# Altium PCB SAMC21_Xplained_Pro.PcbDoc (part 1 of 4) (continued)
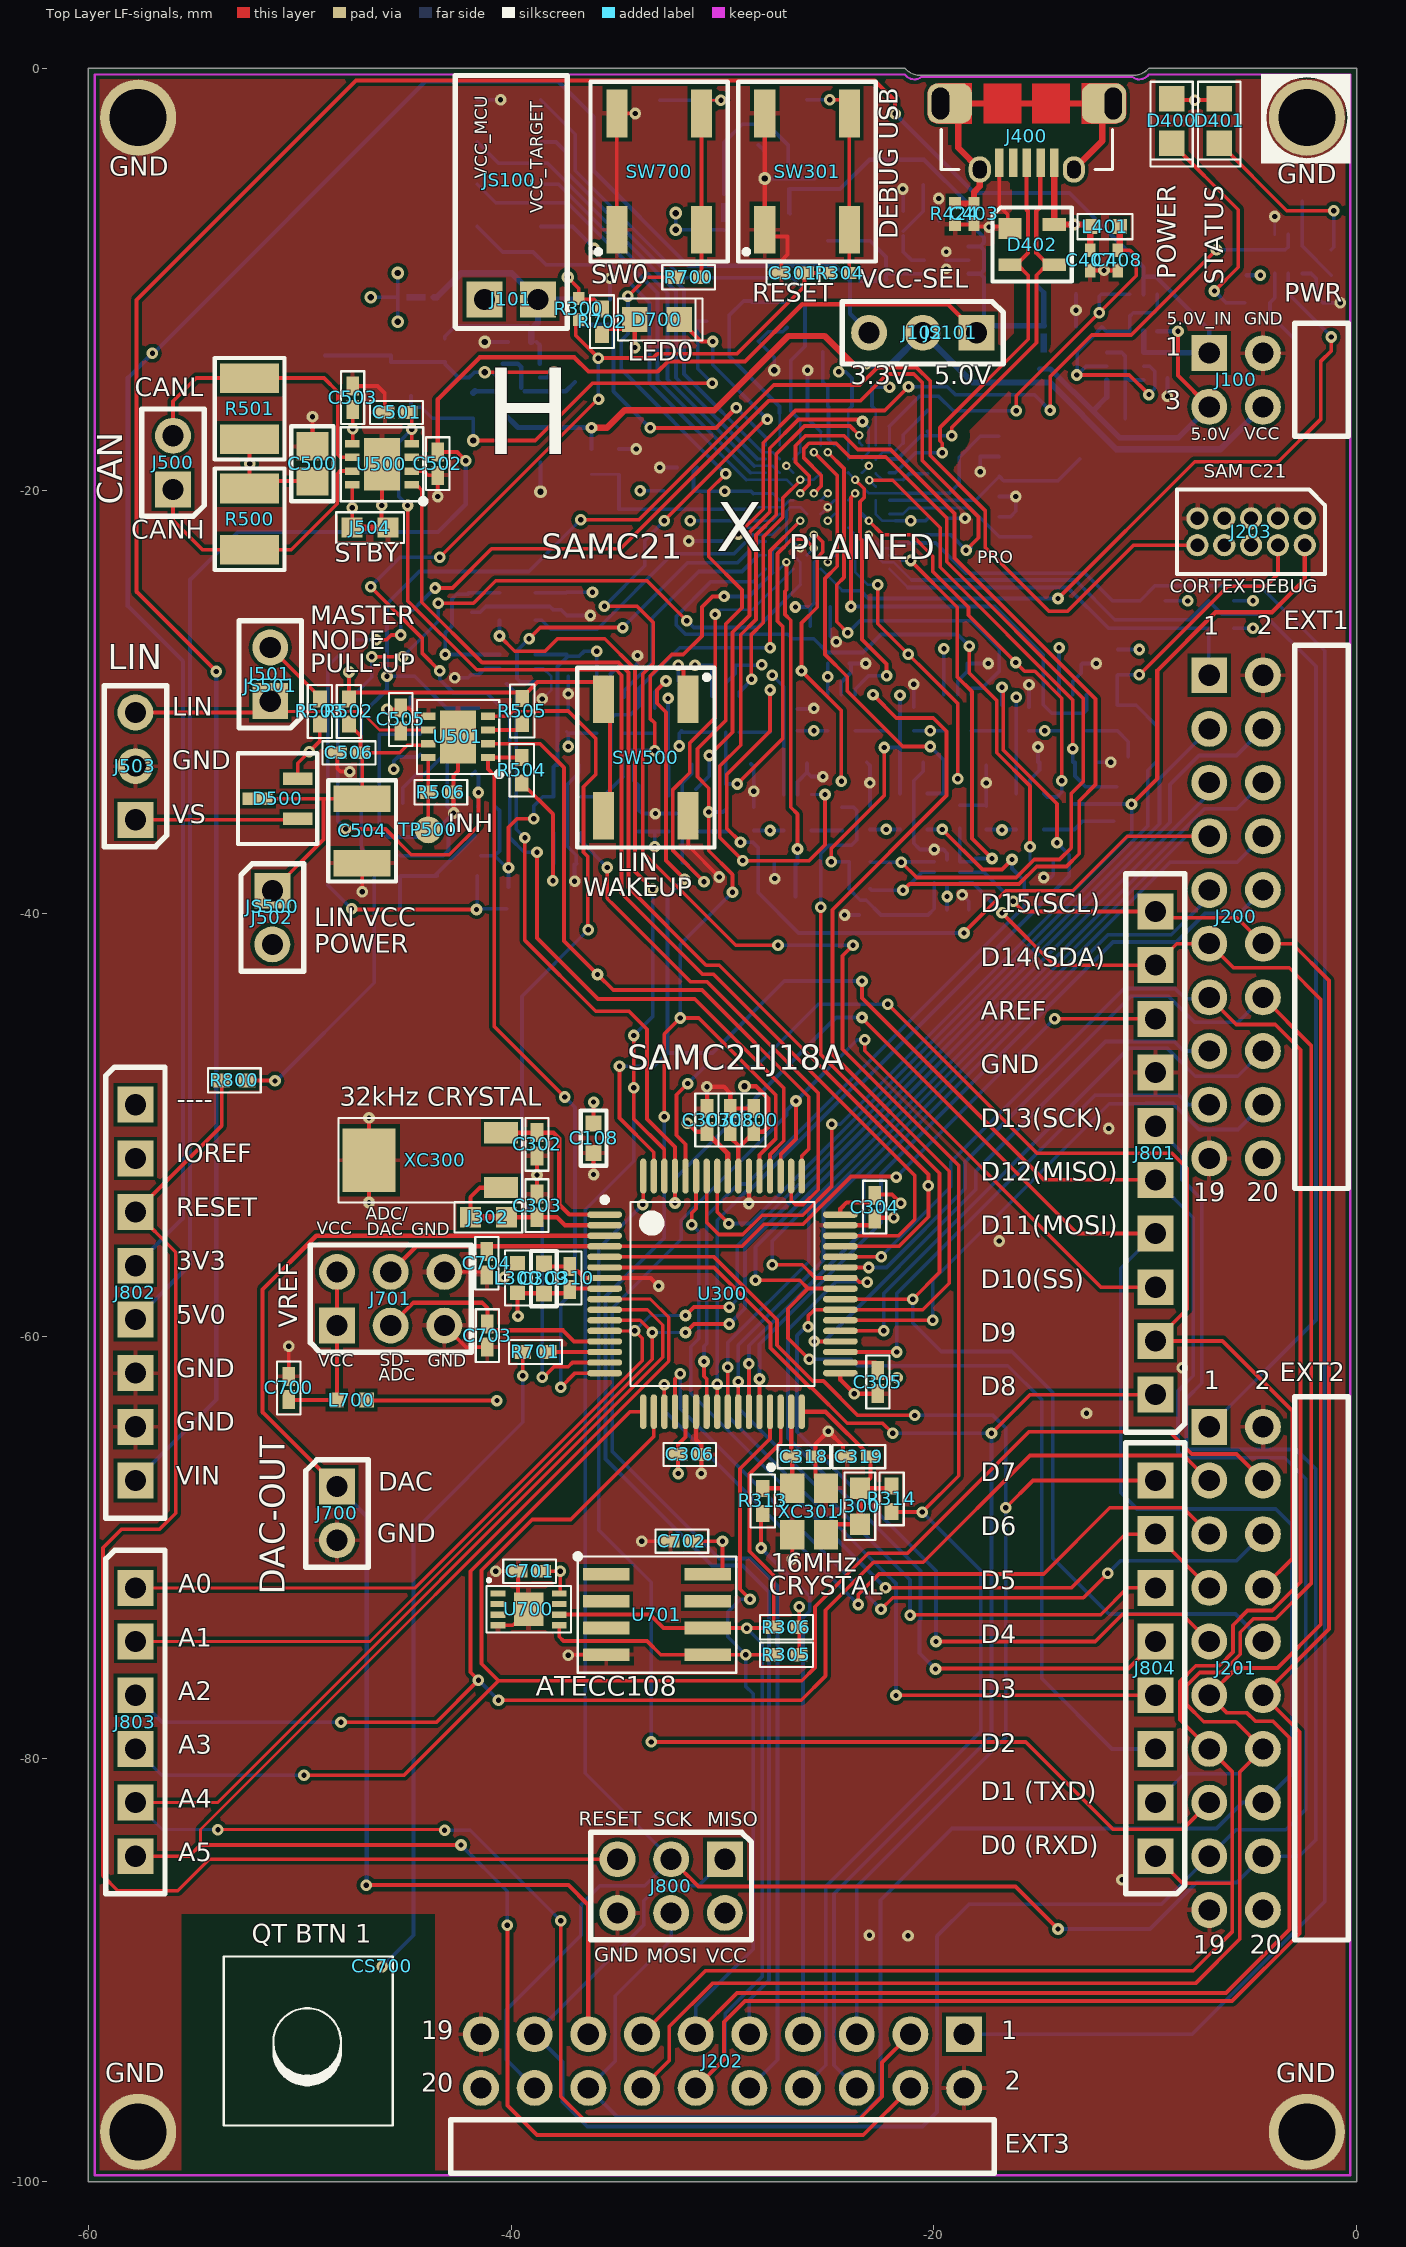
[diagram p0: Top Layer LF-signals view]
## Design rules (kind name [scope] priority, off if disabled: settings)
AcuteAngle [All] p1: minimum=7.00000000000000E+0001 checktracksonly=FALSE
AssemblyTestPointUsage "Schematic Assembly Testpoint Usage_26" [InNet('EDBG_DGI_GPIO0_EN')] p1: valid=1
AssemblyTestPointUsage "Schematic Assembly Testpoint Usage_25" [InNet('EDBG_CDC_UART_TX')] p2: valid=1
AssemblyTestPointUsage "Schematic Assembly Testpoint Usage_24" [InNet('EDBG_DGI_GPIO0')] p3: valid=1
AssemblyTestPointUsage "Schematic Assembly Testpoint Usage_23" [InNet('EDBG_DGI_GPIO3')] p4: valid=1
AssemblyTestPointUsage "Schematic Assembly Testpoint Usage_22" [InNet('TARGET_DGI_SPI_MISO')] p5: valid=1
AssemblyTestPointUsage "Schematic Assembly Testpoint Usage_21" [InNet('TARGET_DGI_GPIO3')] p6: valid=1
AssemblyTestPointUsage "Schematic Assembly Testpoint Usage_20" [InNet('TARGET_DGI_GPIO2')] p7: valid=1
AssemblyTestPointUsage "Schematic Assembly Testpoint Usage_19" [InNet('TARGET_DGI_GPIO1')] p8: valid=1
AssemblyTestPointUsage "Schematic Assembly Testpoint Usage_18" [InNet('TARGET_DGI_GPIO0')] p9: valid=1
AssemblyTestPointUsage "Schematic Assembly Testpoint Usage_17" [InNet('TARGET_CDC_RX')] p10: valid=1
AssemblyTestPointUsage "Schematic Assembly Testpoint Usage_16" [InNet('NetR506_2')] p11: valid=1
AssemblyTestPointUsage "Schematic Assembly Testpoint Usage_15" [InNet('NetQ600_1')] p12: valid=1
AssemblyTestPointUsage "Schematic Assembly Testpoint Usage_14" [InNet('WKIN')] p13: valid=1
AssemblyTestPointUsage "Schematic Assembly Testpoint Usage_13" [InNet('PA05_QTB_Y3')] p14: valid=1
AssemblyTestPointUsage "Schematic Assembly Testpoint Usage_12" [InNet('NetCS700_1')] p15: valid=1
AssemblyTestPointUsage "Schematic Assembly Testpoint Usage_8" [InNet('EDBG_USB_FS_P')] p16: valid=1
AssemblyTestPointUsage "Schematic Assembly Testpoint Usage_7" [InNet('EDBG_USB_FS_N')] p17: valid=1
AssemblyTestPointUsage "Schematic Assembly Testpoint Usage_11" [InNet('PA15_XOUT')] p18: valid=1
AssemblyTestPointUsage "Schematic Assembly Testpoint Usage_2" [InNet('PA14_XIN')] p19: valid=1
AssemblyTestPointUsage "Schematic Assembly Testpoint Usage_1" [InNet('NetJ300_1')] p20: valid=1
AssemblyTestPointUsage "Schematic Assembly Testpoint Usage_10" [InNet('XIN0')] p21: valid=1
AssemblyTestPointUsage "Schematic Assembly Testpoint Usage_9" [InNet('XOUT0')] p22: valid=1
AssemblyTestPointUsage "Schematic Assembly Testpoint Usage_6" [InNet('EDBG_USB_HS_N')] p23: valid=1
AssemblyTestPointUsage "Schematic Assembly Testpoint Usage_5" [InNet('NetJ302_1')] p24: valid=1
AssemblyTestPointUsage "Schematic Assembly Testpoint Usage_4" [InNet('PA01_XOUT32')] p25: valid=1
AssemblyTestPointUsage "Schematic Assembly Testpoint Usage_3" [InNet('PA00_XIN32')] p26: valid=1
AssemblyTestPointUsage "Schematic Assembly Testpoint Usage" [InNet('EDBG_USB_HS_P')] p27: valid=1
AssemblyTestPointUsage [All] p28:
AssemblyTestpoint AssemblyTestpoint_TP [HasFootprint('AP8-00010') or InNet('NetC407_1')] p1: testpointundercomponent=TRUE minsize=0.8 maxsize=10 preferedsize=0.8 minholesize=0 maxholesize=2 preferedholesize=0.25 testpointgrid=0.025 usegrid=FALSE gridtolerance=0 allowsidebottom=TRUE minspacing=1.27
AssemblyTestpoint [All] p2: testpointundercomponent=TRUE minsize=0.8 maxsize=10 preferedsize=0.8 minholesize=0 maxholesize=2 preferedholesize=0.25 testpointgrid=0.025 usegrid=FALSE gridtolerance=0 allowsidebottom=TRUE minspacing=1.27 compbodyclearance=1.27
Clearance "Schematic Clearance Touch" [InNetClass('TOUCH')] p1 off: gap=0.6
Clearance Clearance_EDBG [InComponent('U400')] p2: gap=0.119
Clearance Clearance_touch [IsRegion vs (InNet('PB00_ADC8') OR InNet('PB01_ADC9') OR InNet('PB02_PWM_TC6_0') OR InNet('PB03_PWM_TC6_1') OR InNet('PB04_GPIO_IRQ4') OR InNet('PB05_GPIO_SS') OR InNet('PB06_GPIO') OR InNet('PB07_GPIO') OR InNet('PB08_S4_UART_TX') OR InNet('PB09_S4_UART_RX') OR InNet('PA04_S0_SPI_MISO') OR InNet('PA05_S0_SPI_SS') OR InNet('PA06_S0_SPI_MOSI') OR InNet('PA07_S0_SPI_SCK'))] p3: gap=0.6
Clearance Clearance_Poly_Impedance [IsRegion vs InDifferentialPairClass('All Differential Pairs')] p4: gap=0.6
Clearance Clearance_Poly [InPoly] p5: gap=0.175
Clearance [All] p6: gap=0.135
ComponentClearance ComponentClearance_1 [(InComponent('JS101') OR InComponent('JS500') OR InComponent('JS501')) vs (InComponent('J102') OR InComponent('J501') OR InComponent('J502'))] p1: gap=0 collisioncheckmode=3 verticalgap=0 showdistances=FALSE
ComponentClearance [All] p2: gap=0.1 collisioncheckmode=3 verticalgap=0.1 showdistances=FALSE
DiffPairsRouting [All] p1: maxlimit=0.22 minlimit=0.2 mostfreqgap=0.2 toplayer_minwidth=0.18 toplayer_maxwidth=0.381 toplayer_prefwidth=0.2 bottomlayer_minwidth=0.18 bottomlayer_maxwidth=0.381 bottomlayer_prefwidth=0.2 maxuncoupledlength=20
FabricationTestPointUsage TestPointUsage [All] p1: valid=2 allowmultiple=FALSE
FabricationTestpoint Testpoint [All] p1: side=2 testpointundercomponent=TRUE minsize=0.55 maxsize=10 preferedsize=0.8 minholesize=0 maxholesize=2 preferedholesize=0.25 testpointgrid=0 allowsidebottom=TRUE usegrid=FALSE gridtolerance=0 minspacing=1.27 compbodyclearance=0.127
HoleSize [All] p1: absolutevalues=TRUE maxlimit=10 minlimit=0.15 maxpercent=80.000 minpercent=20.000
HoleToHoleClearance [All] p1: gap=0.3 allowstackedmicrovias=TRUE
MinimumAnnularRing [All] p1: minimumring=0.1
MinimumSolderMaskSliver [All] p1: minsoldermaskwidth=0.075
NetAntennae [Not IsAssyTestpoint] p1: netantennaetolerance=0
PlaneClearance [All] p1: clearance=0.3
PlaneConnect PlaneConnect_50mil [HasFootprint('AP8-00257')] p1: planeconnectstyle=Relief reliefexpansion=0.2 reliefentries=4 reliefconductorwidth=0.2 reliefairgap=0.2
PlaneConnect PlaneConnect_VIA [IsVia OR HasPad('Free-666')] p2: planeconnectstyle=Direct reliefexpansion=0.508 reliefentries=4 reliefconductorwidth=0.254 reliefairgap=0.254
PlaneConnect [All] p3: planeconnectstyle=Relief reliefexpansion=0.508 reliefentries=4 reliefconductorwidth=0.254 reliefairgap=0.254
PolygonConnect PolygonConnect_VIA [IsVia OR HasPad('Free-666')] p1: connectstyle=Direct reliefconductorwidth=0.254 reliefentries=4 polygonreliefangle="90 Angle" airgapwidth=0.254
PolygonConnect [All] p2: connectstyle=Relief reliefconductorwidth=0.2 reliefentries=4 polygonreliefangle="90 Angle" airgapwidth=0.2
RoutingVias [All] p1: holewidth=0.25 width=0.55 viastyle="Through Hole" minholewidth=0.2 minwidth=0.4 maxholewidth=0.5 maxwidth=1
SMDNeckDown [All] p1: percent=90.000
SilkToSilkClearance SilkToSilkClearance_1 [InComponent('LABEL1') vs IsText] p1: silktosilkclearance=0
SilkToSilkClearance SilkToSilkClearance_Text [IsText vs IsText] p2: silktosilkclearance=0
SilkToSilkClearance [All] p3: silktosilkclearance=0.1
SilkToSolderMaskClearance SilkscreenOverComponentPads [IsPad] p1: minsilkscreentomaskgap=0.1 clearancetoexposedcopper=TRUE
SolderMaskExpansion SolderMaskTenting [IsVia AND NOT (IsFabTestpoint OR IsAssyTestpoint)] p1: expansion=-1
SolderMaskExpansion [All] p2: expansion=0.05
ViasUnderSMD [All] p1: allowed=FALSE
Width [All] p1: maxlimit=10 minlimit=0.125 preferedwidth=0.175
16 further rules are at their usual default settings.

## Classes and differential pairs
net class TOUCH: NetCS700_1 PA05_QTB_Y3 PA08_AIN10_X0 PA09_AIN11_X1 PA10_GPIO_X2 PA11_GPIO_X3 PA18_S1_SPI_MOSI_Y22 PA19_S1_SPI_SCK_Y23 PA20_GPIO_RTS_TE_Y26 PA21_GPIO_CTS_Y27 PB08_INN1_Y14 PB09_INP1_Y15 PB12_PWM_TC0_W0 PB13_PWM_TC0_W1 PB14_GPIO_IRQ14_Y30 PB15_GPIO_SS_Y31
differential pair EDBG_USB_HS: +EDBG_USB_HS_P -EDBG_USB_HS_N

## Components (designator, comment, footprint, x,y, rotation, side; value= is the part's Value field where it differs from the comment)
C100 "" AP1-00117 -27.6,-3.638 r180 bottom
C101 "" AP1-00117 -27.6,-6.887 r180 bottom
C102 "" AP1-00001 -39.6,-12.965 r180 bottom
C103 "" AP1-00003 -38.613,-17.838 r270 bottom
C104 "" AP1-00117 -19.062,-7.213 r180 bottom
C105 "" AP1-00003 -15.125,-9.475 r90 bottom
C106 "" AP1-00053 -21.45,-7.25 r270 bottom
C107 "" AP1-00003 -23.1,-7.35 r90 bottom
C108 "" AP1-00039 -36.1,-50.638 r270 top
C109 "" AP1-00053 -43.138,-13.363 r270 bottom
C300 "" AP1-00001 -28.525,-49.775 r90 top
C301 "" AP1-00001 -26.675,-9.7 r180 top
C302 "" AP1-00001 -38.775,-50.925 r270 top
C303 "" AP1-00001 -38.775,-53.825 r90 top
C304 "" AP1-00001 -22.8,-53.9 r270 top
C305 "" AP1-00001 -22.65,-62.175 r270 top
C306 "" AP1-00001 -31.55,-65.6 r0 top
C307 "" AP1-00001 -30.738,-49.775 r90 top
C308 "" AP1-00001 -29.637,-49.775 r90 top
C309 "" AP1-00039 -38.45,-57.275 r90 top
C310 "" AP1-00001 -37.225,-57.25 r90 top
C318 "" AP1-00001 -26.15,-65.7 r0 top locked
C319 "" AP1-00001 -23.55,-65.7 r180 top locked
C400 "" AP1-00053 -16.9,-21.7 r90 bottom locked
C401 "" AP1-00053 -16.9,-19.8 r270 bottom locked
C402 "" AP1-00053 -17.8,-17.9 r270 bottom locked
C403 "" AP1-00053 -18.1,-6.9 r90 top locked
C404 "" AP1-00053 -31.675,-18.9 r180 bottom locked
C405 "Farnell no: 1288200" AP1-00053 -25.5,-15.1 r180 bottom locked
C406 "" AP1-00053 -25.5,-16 r180 bottom locked
C407 "" AP1-00053 -12.6,-9.1 r270 top locked
C408 "" AP1-00053 -11.3,-9.1 r270 top locked
C409 "Farnell no: 1288200" AP1-00053 -23.4,-15.1 r0 bottom locked
C410 "" AP1-00053 -23.4,-16 r0 bottom locked
C411 "" AP1-00053 -19.8,-21.3 r0 bottom locked
C412 "" AP1-00053 -25.375,-25.5 r0 bottom locked
C413 "" AP1-00053 -30,-21.9 r270 bottom locked
C414 "Farnell no: 1288200" AP1-00053 -30.875,-21.9 r270 bottom locked
C415 "Farnell no: 1288200" AP1-00053 -25.375,-26.4 r0 bottom locked
C500 "" AP1-00003 -49.4,-18.72 r90 top
C501 "" AP1-00001 -45.425,-16.295 r180 top
C502 "" AP1-00001 -43.475,-18.72 r270 top
C503 "" AP1-00001 -47.5,-15.595 r90 top
C504 "" AP1-00015 -47.05,-36.095 r270 top
C505 "" AP1-00001 -45.225,-30.82 r90 top
C506 "" AP1-00001 -47.675,-32.4 r180 top
C600 "" AP1-00053 -22.975,-40.075 r180 bottom
C601 "" AP1-00053 -18.825,-39.825 r180 bottom
C602 "" AP1-00053 -18.975,-28.175 r0 bottom
C603 "" AP1-00053 -20.95,-30.8 r270 bottom
C604 "" AP1-00053 -21.05,-32.85 r0 bottom
C605 "" AP1-00053 -23.025,-35.475 r270 bottom
C606 "" AP1-00053 -15.55,-32.85 r0 bottom
C607 "" AP1-00053 -17.525,-35.475 r270 bottom
C608 "" AP1-00053 -37.35,-32.975 r0 bottom
C609 "" AP1-00053 -37.475,-37.675 r180 bottom
C610 "" AP1-00053 -13.525,-28.175 r0 bottom
C611 "" AP1-00053 -15.5,-30.8 r270 bottom
C612 "" AP1-00053 -37.375,-25.35 r270 bottom
C613 "" AP1-00053 -42.025,-25.375 r90 bottom
C614 "" AP1-00053 -29.95,-28.25 r0 bottom
C615 "" AP1-00053 -31.925,-30.875 r270 bottom
C616 "" AP1-00053 -35.4,-28.3 r0 bottom
C617 "" AP1-00053 -37.287,-30.925 r270 bottom
C618 "" AP1-00053 -24.475,-28.175 r0 bottom
C619 "" AP1-00053 -26.45,-30.8 r270 bottom
C620 "" AP1-00053 -37.3,-28.3 r270 bottom
C621 "" AP1-00053 -42.025,-28.3 r90 bottom
C622 "" AP1-00053 -26.55,-32.9 r0 bottom
C623 "" AP1-00053 -28.525,-35.525 r270 bottom
C624 "" AP1-00053 -32,-32.95 r0 bottom
C625 "" AP1-00053 -33.975,-35.575 r270 bottom
C700 "" AP1-00001 -50.525,-62.45 r90 top
C701 "" AP1-00001 -39.125,-71.125 r180 top
C702 "" AP1-00001 -31.925,-69.7 r180 top
C703 "" AP1-00001 -41.125,-59.975 r270 top
C704 "" AP1-00001 -41.15,-56.55 r270 top
CS700 "QTouch Button" ? -49.6,-93.325 r0 top locked
D100 "" AP4-00007 -45.688,-14.55 r90 bottom
D400 "" AP4-00013 -8.75,-2.5 r90 top locked
D401 "" AP4-00013 -6.5,-2.5 r90 top locked
D402 "Changed manufacturer from Philips to NXP." AP4-00001 -16.4,-7.6 r0 top locked
D500 "" AP4-00018 -51.05,-34.57 r180 top
D700 "" AP4-00013 -33.1,-11.9 r180 top locked
E1 "" AP8-00192 -9.325,-4.725 r180 bottom
E2 "" AP8-00192 -51,-4.5 r180 bottom locked
E3 "" AP8-00192 -9,-95.5 r180 bottom locked
E4 "" AP8-00192 -51,-95.5 r180 bottom locked
J100 "" AP8-00628 -5.7,-14.76 r270 top locked
J101 "" AP8-00367 -40,-10.95 r0 top locked
J102 "" AP8-00745 -20.525,-12.525 r180 top locked
J103 "" AP9-00044 -14.8,-13.012 r270 bottom net-tie
J104 "" AP9-00044 -29.925,-6.825 r90 bottom net-tie
J105 "" AP9-00044 -23.112,-10.012 r0 bottom net-tie
J106 "" AP9-00044 -44.512,-10.85 r0 bottom net-tie
J200 "" AP8-00622 -5.7,-40.16 r270 top locked
J201 "" AP8-00622 -5.7,-75.72 r270 top locked
J202 "" AP8-00622 -30,-94.3 r180 top locked
J203 "" AP8-00257 -4.99,-21.94 r180 top locked
J300 "" AP9-00044 -23.5,-68.05 r90 top locked net-tie
J302 "" AP9-00044 -41.075,-54.375 r0 top net-tie
J400 "2,000 pieces per reel" AP8-00852 -15.6,-1.675 r180 top locked
J500 "" AP8-00733 -56,-18.67 r90 top
J501 "" AP8-00733 -51.4,-28.687 r90 top
J502 "" AP8-00733 -51.3,-40.195 r270 top
J503 "" AP8-00745 -57.778,-33.03 r90 top
J504 "" AP9-00044 -46.675,-21.745 r0 top net-tie
J700 "" AP8-00733 -48.24,-68.39 r270 top
J701 "" AP8-00182 -45.7,-58.23 r0 top locked
J800 "" AP8-00182 -32.429,-86.02 r180 top locked
J801 "" AP8-00822 -9.518,-51.336 r90 top locked
J802 "" AP8-00823 -57.778,-57.94 r270 top locked
J803 "" AP8-00824 -57.778,-78.26 r270 top locked
J804 "" AP8-00823 -9.518,-75.72 r90 top locked
JS100 "" AP8-00525 -40.1,-5.3 r0 top locked
JS101 "" AP8-00525 -19.2,-12.525 r0 top
JS500 "" AP8-00525 -51.3,-39.675 r270 top
JS501 "" AP8-00525 -51.4,-29.225 r90 top
L300 "" AP3-00005 -39.7,-57.25 r270 top
L401 "" AP3-00005 -11.9,-7.5 r0 top locked
L402 "" AP3-00005 -32.075,-20 r0 bottom locked
L700 "" AP3-00005 -47.55,-63.025 r180 top
LABEL1 "" AP8-00317 -37.382,-88.575 r180 bottom
Q100 "Farnell order code: 2191806" AP5-00047 -10.075,-11.575 r0 bottom
Q101 "Farnell order code: 2191806" AP5-00047 -10.95,-14.11 r270 bottom locked
Q102 "" AP5-00002 -29.7,-11.975 r180 bottom locked
Q103 "Farnell order code: 2191806" AP5-00047 -39.525,-14.64 r90 bottom
Q400 "Same as 2N7002 but with two MOSFETs in one package" AP5-00001 -3.225,-8.8 r270 bottom locked
Q600 "Farnell no: 9844856" AP5-00008 -43.075,-32.475 r0 bottom
Q601 "Farnell no: 9844856" AP5-00008 -42.65,-37.275 r180 bottom
R100 "" AP2-00000 -43.138,-15.965 r90 bottom
R103 "" AP2-00000 -12.675,-10.7 r0 bottom
R104 "" AP2-00000 -41.788,-15.965 r90 bottom
R105 "" AP2-00000 -26.95,-11.863 r90 bottom
R106 "" AP2-00000 -8.95,-14.075 r90 bottom
R107 "" AP2-00000 -12.825,-12.45 r0 bottom
R109 "" AP2-00000 -36.2,-18.625 r90 bottom
R110 "" AP2-00000 -34.9,-18.625 r270 bottom
R111 "" AP2-00000 -36.6,-11.55 r90 bottom
R112 "" AP2-00000 -35.325,-11.55 r270 bottom
R300 "" AP2-00011 -36.8,-11.4 r90 top
R301 "" AP2-00000 -11.3,-28.112 r90 bottom
R304 "" AP2-00011 -24.45,-9.7 r180 top
R305 "" AP2-00000 -26.975,-75.075 r0 top
R306 "" AP2-00000 -26.975,-73.775 r0 top
R313 "" AP2-00000 -28.1,-67.8 r270 top
R314 "" AP2-00000 -22,-67.7 r270 top
R401 "" AP2-00000 -9.637,-25.2 r0 bottom
R402 "" AP2-00000 -6.4,-25.2 r0 bottom locked
R409 "" AP2-00000 -6.4,-26.5 r0 bottom locked
R410 "" AP2-00000 -5.2,-9.2 r270 bottom locked
R411 "" AP2-00000 -4.7,-11.1 r180 bottom locked
R412 "" AP2-00000 -1.2,-9.2 r90 bottom locked
R413 "" AP2-00000 -2.2,-11.1 r180 bottom locked
R421 "" AP2-00011 -20.3,-16.7 r90 bottom locked
R422 "" AP2-00011 -20.3,-18.7 r270 bottom locked
R423 "" AP2-00011 -16.9,-17.9 r90 bottom locked
R424 "" AP2-00011 -19,-6.9 r90 top locked
R500 "Generic component" AP2-00008 -52.375,-21.345 r270 top
R501 "Generic component" AP2-00008 -52.375,-16.12 r270 top
R502 "" AP2-00000 -47.675,-30.445 r270 top
R503 "" AP2-00000 -49.05,-30.445 r270 top
R504 "" AP2-00000 -39.5,-33.225 r270 top
R505 "" AP2-00000 -39.475,-30.425 r270 top
R506 "" AP2-00000 -43.325,-34.27 r180 top
R600 "" AP2-00011 -45.125,-35.287 r90 bottom
R601 "" AP2-00011 -23.525,-38.825 r180 bottom
R602 "" AP2-00011 -23.5,-37.55 r180 bottom
R603 "" AP2-00011 -41.25,-34.975 r0 bottom
R604 "" AP2-00011 -18.775,-35.475 r270 bottom
R605 "" AP2-00011 -45.263,-37.75 r270 bottom
R606 "" AP2-00011 -18.275,-32.85 r0 bottom
R607 "" AP2-00011 -16.775,-30.75 r270 bottom
R608 "" AP2-00011 -14.85,-37.525 r0 bottom
R609 "" AP2-00011 -41.05,-30.275 r0 bottom
R610 "" AP2-00000 -44.175,-29.775 r0 bottom
R611 "" AP2-00000 -13.35,-35.425 r90 bottom
R612 "" AP2-00000 -11.325,-30.75 r90 bottom locked
R613 "" AP2-00011 -12.825,-32.85 r0 bottom
R614 "" AP2-00011 -33.2,-30.875 r90 bottom
R615 "" AP2-00011 -29.25,-32.925 r0 bottom
R616 "" AP2-00011 -34.7,-32.975 r0 bottom
R617 "" AP2-00011 -23.775,-32.85 r0 bottom
R618 "" AP2-00011 -27.75,-30.825 r90 bottom
R619 "" AP2-00011 -22.275,-30.75 r90 bottom
R620 "" AP2-00011 -24.35,-35.475 r90 bottom
R621 "" AP2-00011 -29.8,-35.525 r90 bottom
R622 "" AP2-00011 -27.05,-37.625 r180 bottom
R623 "" AP2-00011 -31.3,-37.625 r0 bottom
R624 "" AP2-00011 -40.125,-39.262 r90 bottom
R700 "" AP2-00000 -31.6,-9.9 r180 top
R701 "" AP2-00000 -38.85,-60.75 r0 top
R702 "" AP2-00000 -35.7,-12 r90 top locked
R800 "" AP2-00000 -53.1,-47.9 r180 top
SW301 "same as A08-0091 but less force is needed; Can be ordered in low volumes from Mouser" AP8-00137 -26,-4.9 r90 top locked
SW500 "" AP8-00137 -33.625,-32.625 r270 top locked
SW700 "same as A08-0091 but less force is needed; Can be ordered in low volumes from Mouser" AP8-00137 -33,-4.9 r90 top
TP300 "" AP8-00010 -33,-1.5 r270 bottom locked
TP301 "" AP8-00010 -26,-1.5 r270 bottom
TP400 "" AP8-00010 -41.6,-1.5 r270 bottom locked
TP401 "" AP8-00010 -38.6,-1.5 r270 bottom locked
TP402 "" AP8-00010 -41.6,-3.5 r270 bottom locked
TP403 "" AP8-00010 -41.6,-5.5 r270 bottom locked
TP404 "" AP8-00010 -38.6,-5.5 r270 bottom locked
TP405 "" AP8-00010 -41.6,-7.5 r270 bottom locked
TP406 "" AP8-00010 -38.6,-3.5 r270 bottom locked
TP407 "" AP8-00010 -38.6,-7.5 r270 bottom locked
TP500 "" AP8-00010 -43.925,-36.045 r90 top
U100 "" AP6-00262 -26.263,-5.225 r0 bottom
U103 "" AP6-00162 -19.413,-9.088 r0 bottom
U300 "" AP6-00173 -30,-58 r0 top locked
U400 "100 ball VFBGA" AP6-00206 -25.025,-20.775 r90 bottom locked
U500 "" AP6-00407 -46.112,-18.745 r180 top
U501 "" AP6-00407 -42.512,-31.645 r180 top
U600 "" AP6-00258 -19.375,-38.05 r90 bottom
U601 "" AP6-00015 -18.875,-30.5 r270 bottom locked
U602 "" AP6-00015 -20.95,-35.175 r270 bottom locked
U603 "" AP6-00015 -15.45,-35.175 r270 bottom locked
U604 "" AP6-00015 -37.35,-35.325 r270 bottom locked
U605 "" AP6-00015 -13.425,-30.5 r270 bottom locked
U606 "" AP6-00015 -39.7,-25.475 r180 bottom
U607 "" AP6-00015 -29.85,-30.575 r270 bottom locked
U608 "" AP6-00015 -35.3,-30.625 r270 bottom locked
U609 "" AP6-00015 -24.375,-30.5 r270 bottom locked
U610 "" AP6-00015 -39.7,-28.4 r180 bottom
U611 "" AP6-00015 -26.45,-35.225 r270 bottom locked
U612 "" AP6-00015 -31.9,-35.275 r270 bottom locked
U700 "" AP6-00409 -39.175,-72.925 r0 top
U701 "" AP6-00071 -33.1,-73.175 r0 top
XC300 "Farnell order no:1539364" AP7-00044 -40.475,-51.675 r90 top
XC301 "" AP7-00061 -25.9,-68.3 r270 top locked
XC400 "" AP7-00039 -14.25,-20.25 r90 bottom locked

## Footprints (in the part's own frame and the unit in brackets; to place one, negate y for a bottom-side part, rotate by r counter-clockwise, add the part's x,y. Pads: shape width x height; smd on the part's side, far side on the other; paste and mask are expansions set on the pad)
AP1-00001 [mm] "Standard 0402 SMD capacitor footprint"
  rect 0.9x0.6 smd: 1(-0.55,0) 2(0.55,0)
  silkscreen extent -1.25,-0.55 1.25,0.55, body extent -0.5,-0.3 0.5,0.3, height 0.2
AP1-00003 [mm]
  rect 1.35x1.5 smd: 1(-0.825,0) 2(0.825,0)
  silkscreen extent -1.78,-1 1.78,1, body extent -1,-0.63 1,0.63, height 0.78
AP1-00015 [mm]
  rect 1.25x2.7 smd: 1(-1.525,0) 2(1.525,0)
  silkscreen extent -2.4,-1.6 2.4,1.6, body extent -1.65,-1.25 1.55,1.25, height 0.95
AP1-00039 [mil] "Capacitor 0603 Hight 0.8mm"
  rect 30x30 smd: 1(-27.5,0) 2(27.5,0)
  silkscreen extent -52,-24 51,24, body extent -31,-16 32,16, height 12
AP1-00053 [mm] "Chip Capacitor, 2-Leads, Body 1.0x0.5mm, IPC High Density"
  rect 0.65x0.5 smd: 1(-0.475,0) 2(0.475,0)
  body extent -0.5,-0.3 0.5,0.3, height 0.2
AP1-00117 [mm] "Chip Capacitor, 2-Leads, Body 1,60x0,80mm, IPC High Density"
  rect 0.8x0.85 smd: 1(-0.7,0) 2(0.7,0)
  body extent -0.8,-0.4 0.8,0.4, height 0.3
AP2-00000 [mm] "Standard 0402 SMD resistor footprint"
  rect 0.8x0.65 smd: 1(-0.6,0) 2(0.6,0)
  silkscreen extent -1.25,-0.58 1.25,0.58, body extent -0.5,-0.3 0.5,0.3, height 0.2
AP2-00008 [mm]
  rect 1.4x2.8 smd: 1(-1.45,0) 2(1.45,0)
  silkscreen extent -2.4,-1.65 2.4,1.65, body extent -1.6,-1.25 1.6,1.25, height 0.55
AP2-00011 [mm] "Chip Resistor, 2-Leads, Body 1,0x0,5mm, IPC High Density"
  rect 0.6x0.55 smd: 1(-0.5,0) 2(0.5,0)
  body extent -0.5,-0.3 0.5,0.3, height 0.2
AP3-00005 [mm]
  rect 0.7x0.7 smd: 1(-0.7,0) 2(0.7,0)
  silkscreen extent -1.3,-0.6 1.3,0.6, body extent -0.83,-0.41 0.82,0.41, height 0.8
AP4-00001 [mm]
  rect 1.1x1 smd: 1(0,0)
  rect 1.1x0.6 smd: 2(0,-1.7) 3(2.1,-1.7) 4(2.1,0.2)
  silkscreen extent -0.82,-2.5 2.93,1, body extent -0.13,-2.2 2.23,0.7, height 1.21
AP4-00007 [mm]
  rect 1.4x0.6 smd: 1(-0.95,0.95) 2(-0.95,-0.95) 3(0.95,0)
  silkscreen extent -1.88,-1.75 1.88,1.75, body extent -1.25,-1.5 1.25,1.5, height 1.07
AP4-00013 [mm] "0805 diode footprint"
  rect 1.2x1.2 smd: 1(-1.05,0) 2(1.05,0)
  silkscreen extent -2.16,-1 1.85,1, body extent -1,-0.63 1,0.63, height 1.1
AP4-00018 [mm]
  rect 1.4x0.6 smd: 1(-0.95,0.95) 2(-0.95,-0.95) 3(0.95,0)
  silkscreen extent -1.88,-2.15 1.88,2.15, body extent -1.25,-1.46 1.23,1.46, height 1
AP5-00001 [mm]
  rect 0.85x0.35 smd: 1(-0.925,0.65) 2(-0.925,0) 3(-0.925,-0.65) 4(0.925,-0.65) 5(0.925,0) 6(0.925,0.65)
  silkscreen extent -1.6,-1.35 1.6,1.35, body extent -1.05,-1 1.05,1, height 0.95
AP5-00002 [mm] "SOT-23 Package"
  rect 1.3x0.6 smd: 1(-1.05,0.95) 2(-1.05,-0.95) 3(1.05,0)
  silkscreen extent -1.95,-1.68 1.95,1.78, body extent -1.25,-1.46 1.23,1.46, height 1
AP5-00008 [mm]
  rect 1.05x0.6 smd: 1(-1.225,0.95) 2(-1.225,0) 3(-1.225,-0.95) 4(1.225,-0.95) 5(1.225,0) 6(1.225,0.95)
  silkscreen extent -2.33,-1.52 2,1.75, body extent -1.5,-1.5 1.5,1.5, height 1.05
AP5-00047 [mm] "NXP SOT1118 (DFN2020-6) Footprint"
  rect 0.35x0.3 smd mask+0.05: 1(-0.65,-0.875) 2(0,-0.875) 3(0.65,-0.875) 4(0.65,0.875) 5(0,0.875) 6(-0.65,0.875)
  rect 0.72x1.05 smd mask+0.05: 7(-0.49,0) 8(0.49,0)
  silkscreen extent -1,-1.55 1,1.17, body extent -0.99,-1.01 1.01,1.01, height 0.65
AP6-00015 [mm]
  rect 1x0.4 smd: 1(-0.85,0.65) 2(-0.85,0) 3(-0.85,-0.65) 4(0.85,-0.65) 5(0.85,0) 6(0.85,0.65)
  silkscreen extent -1.6,-1.35 1.6,1.35, body extent -1.05,-1 1.05,1, height 0.92
AP6-00071 [mm]
  rect 2.2x0.6 smd: 1(-2.4,1.905) 2(-2.4,0.635) 3(-2.4,-0.635) 4(-2.4,-1.905) 5(2.4,-1.905) 6(2.4,-0.635) 7(2.4,0.635) 8(2.4,1.905)
  silkscreen extent -3.87,-2.75 3.75,2.87, body extent -3,-2.45 3,2.45, height 1.75
AP6-00162 [mm] "QFN, 6-Leads, Body 2.00x2.00mm, Pitch 0.65mm, Thermal Pad 1.00x1.6mm, IPC Medium Density modified"
  rect 0.6x0.3 smd paste-0.025 mask+0.05: 1(-1.05,0.65) 2(-1.05,0) 3(-1.05,-0.65) 4(1.05,-0.65) 5(1.05,0) 6(1.05,0.65)
  rect 1x1.6 smd paste-0.05 mask+0.05: 7(0,0)
  silkscreen extent -1.92,-1.2 1.2,1.2, body extent -1.05,-1.05 1.05,1.05, height 0.8
AP6-00173 [mm] "TSQFP, 64-Leads, Body 12.0x12.0mm (max), Pitch 0.50mm, IPC Medium Density"
  oval 1.65x0.3 smd: 1(-5.575,3.75) 2(-5.575,3.25) 3(-5.575,2.75) 4(-5.575,2.25) 5(-5.575,1.75) 6(-5.575,1.25) 7(-5.575,0.75) 8(-5.575,0.25) 9(-5.575,-0.25) 10(-5.575,-0.75) 11(-5.575,-1.25) 12(-5.575,-1.75) 13(-5.575,-2.25) 14(-5.575,-2.75) 15(-5.575,-3.25) 16(-5.575,-3.75) 33(5.575,-3.75) 34(5.575,-3.25) 35(5.575,-2.75) 36(5.575,-2.25) 37(5.575,-1.75) 38(5.575,-1.25) 39(5.575,-0.75) 40(5.575,-0.25) 41(5.575,0.25) 42(5.575,0.75) 43(5.575,1.25) 44(5.575,1.75) 45(5.575,2.25) 46(5.575,2.75) 47(5.575,3.25) 48(5.575,3.75)
  oval 0.3x1.65 smd: 17(-3.75,-5.575) 18(-3.25,-5.575) 19(-2.75,-5.575) 20(-2.25,-5.575) 21(-1.75,-5.575) 22(-1.25,-5.575) 23(-0.75,-5.575) 24(-0.25,-5.575) 25(0.25,-5.575) 26(0.75,-5.575) 27(1.25,-5.575) 28(1.75,-5.575) 29(2.25,-5.575) 30(2.75,-5.575) 31(3.25,-5.575) 32(3.75,-5.575) 49(3.75,5.575) 50(3.25,5.575) 51(2.75,5.575) 52(2.25,5.575) 53(1.75,5.575) 54(1.25,5.575) 55(0.75,5.575) 56(0.25,5.575) 57(-0.25,5.575) 58(-0.75,5.575) 59(-1.25,5.575) 60(-1.75,5.575) 61(-2.25,5.575) 62(-2.75,5.575) 63(-3.25,5.575) 64(-3.75,5.575)
  silkscreen extent -5.7,-4.35 4.35,4.57, body extent -6,-6 6,6, height 1.2
AP6-00206 [mm] "100 ball (10x10 array) VFBGA. Pitch 0.65 mm. Width: 7 mm. Length: 7mm. Height: 1 mm"
  round 0.28 smd: A1(-2.925,2.925) A2(-2.275,2.925) A3(-1.625,2.925) A4(-0.975,2.925) A5(-0.325,2.925) A6(0.325,2.925) A7(0.975,2.925) A8(1.625,2.925) A9(2.275,2.925) A10(2.925,2.925) B1(-2.925,2.275) B2(-2.275,2.275) B3(-1.625,2.275) B4(-0.975,2.275) B5(-0.325,2.275) B6(0.325,2.275) B7(0.975,2.275) B8(1.625,2.275) B9(2.275,2.275) B10(2.925,2.275) C1(-2.925,1.625) C2(-2.275,1.625) C3(-1.625,1.625) C4(-0.975,1.625) C5(-0.325,1.625) C6(0.325,1.625) C7(0.975,1.625) C8(1.625,1.625) C9(2.275,1.625) C10(2.925,1.625) D1(-2.925,0.975) D2(-2.275,0.975) D3(-1.625,0.975) D4(-0.975,0.975) D5(-0.325,0.975) D6(0.325,0.975) D7(0.975,0.975) D8(1.625,0.975) D9(2.275,0.975) D10(2.925,0.975) E1(-2.925,0.325) E2(-2.275,0.325) E3(-1.625,0.325) E4(-0.975,0.325) E5(-0.325,0.325) E6(0.325,0.325) E7(0.975,0.325) E8(1.625,0.325) E9(2.275,0.325) E10(2.925,0.325) F1(-2.925,-0.325) F2(-2.275,-0.325) F3(-1.625,-0.325) F4(-0.975,-0.325) F5(-0.325,-0.325) F6(0.325,-0.325) F7(0.975,-0.325) F8(1.625,-0.325) F9(2.275,-0.325) F10(2.925,-0.325) G1(-2.925,-0.975) G2(-2.275,-0.975) G3(-1.625,-0.975) G4(-0.975,-0.975) G5(-0.325,-0.975) G6(0.325,-0.975) G7(0.975,-0.975) G8(1.625,-0.975) G9(2.275,-0.975) G10(2.925,-0.975) H1(-2.925,-1.625) H2(-2.275,-1.625) H3(-1.625,-1.625) H4(-0.975,-1.625) H5(-0.325,-1.625) H6(0.325,-1.625) H7(0.975,-1.625) H8(1.625,-1.625) H9(2.275,-1.625) H10(2.925,-1.625) J1(-2.925,-2.275) J2(-2.275,-2.275) J3(-1.625,-2.275) J4(-0.975,-2.275) J5(-0.325,-2.275) J6(0.325,-2.275) J7(0.975,-2.275) J8(1.625,-2.275) J9(2.275,-2.275) J10(2.925,-2.275) K1(-2.925,-2.925) K2(-2.275,-2.925) K3(-1.625,-2.925) K4(-0.975,-2.925) K5(-0.325,-2.925) K6(0.325,-2.925) K7(0.975,-2.925) K8(1.625,-2.925) K9(2.275,-2.925) K10(2.925,-2.925)
  silkscreen extent -4.15,-4.15 4.15,4.15, body extent -3.5,-3.5 3.5,3.5, height 1.01
AP6-00258 [mm]
  rect 0.25x0.4 smd mask+0: 1(-0.5,-0.605) 2(0,-0.605) 3(0.5,-0.605) 5(0.5,0.605) 6(0,0.605) 7(-0.5,0.605)
  rect 0.4x0.25 smd mask+0: 4(0.6,0) 8(-0.6,0)
  body extent -0.8,-0.8 0.8,0.8, height 0.55
AP6-00262 [mm] "SON-6 footprint"
  rect 0.95x0.3 smd paste-0.025 mask+0.05: 1(-0.575,0.5)
  rect 0.85x0.3 smd paste-0.025 mask+0.05: 2(-0.625,0) 3(-0.625,-0.5) 4(0.625,-0.5) 5(0.625,0) 6(0.625,0.5)
  silkscreen extent -1.25,-0.9 0.9,0.95, body extent -0.79,-0.78 0.78,0.77, height 0.8
AP6-00407 [mm] "DFN8 package"
  rect 0.675x0.35 smd mask+0.05: 1(-1.412,0.975) 2(-1.412,0.325) 3(-1.412,-0.325) 4(-1.412,-0.975) 5(1.412,-0.975) 6(1.412,-0.325) 7(1.412,0.325) 8(1.412,0.975)
  rect 1.7x2.5 smd paste-3 mask+0.05: 9(0,0)
  silkscreen extent -2.08,-1.75 1.95,1.87, body extent -1.55,-1.55 1.55,1.55, height 1
AP6-00409 [mm]
  rect 0.7x0.3 smd mask+0.075: 1(-1.45,0.75) 2(-1.45,0.25) 3(-1.45,-0.25) 4(-1.45,-0.75) 5(1.45,-0.75) 6(1.45,-0.25) 7(1.45,0.25) 8(1.45,0.75)
  rect 1.4x1.6 smd paste-0.025 mask+0.075: 9(0,0)
  silkscreen extent -2,-1.1 2,1.45, body extent -1.55,-1.05 1.55,1.05, height 0.6
AP7-00039 [mm] "FOX FQ5032B"
  rect 1.6x1.3 smd: 1(-1.9,-1.15) 2(1.9,-1.15) 3(1.9,1.15) 4(-1.9,1.15)
  silkscreen extent -3,-2.1 3,2.1, body extent -2.7,-1.8 2.7,1.8, height 1.2
AP7-00044 [mm]
  rect 1x1.6 smd: 1(-1.3,0) 2(1.3,0)
  rect 3x2.5 smd: 3(0,6.25)
  silkscreen extent -2,-1 2,7.7, body extent -1.5,-0.7 1.5,7.4, height 2.08
AP7-00061 [mm] "TSX-3225"
  rect 1.4x1.15 smd: 1(-1.1,-0.8) 2(1.1,-0.8) 3(1.1,0.8) 4(-1.1,0.8)
  silkscreen extent -2.21,-1.9 -1.99,-1.69, body extent -1.6,-1.25 1.6,1.25, height 0.6
AP8-00010 [mm] "Testpad 50mil"
  round 1.27 smd paste-0.635: 1(0,0)
AP8-00137 [mm]
  rect 2.25x1 smd: 1(-2.75,2) 2(2.75,2) 3(-2.75,-2) 4(2.75,-2)
  silkscreen extent -4.25,-3.25 4.25,3.25, body extent -3.4,-3.21 3.4,3.22, height 3.47
AP8-00182 [mm] "Pin-in-Paste, Throughhole pin-header (2x3 array). Pitch 2.54 mm"
  rect 1.7x1.7 / inner round 1.7 / far side rect 1.7x1.7 hole 1: 1(-2.54,-1.27)
  rect 1.75x1.75 on Top Paste: 1(-2.54,-1.27) 2(-2.54,1.27) 3(0,-1.27) 4(0,1.27) 5(2.54,-1.27) 6(2.54,1.27)
  round 1.7 hole 1: 2(-2.54,1.27) 3(0,-1.27) 4(0,1.27) 5(2.54,-1.27) 6(2.54,1.27)
  silkscreen extent -3.8,-2.54 3.81,2.54, body extent -3.81,-2.54 3.81,2.54, height 8.56
AP8-00192 [mm]
  body extent -4,-4 4,4, height 2.79
AP8-00257 [mm]
  round 1.05 hole 0.65: 1(-2.54,-0.635) 2(-2.54,0.635) 3(-1.27,-0.635) 4(-1.27,0.635) 5(0,-0.635) 6(0,0.635) 7(1.27,-0.635) 8(1.27,0.635) 9(2.54,-0.635) 10(2.54,0.635)
  round 1.05 on Top Paste: 1(-2.54,-0.635) 2(-2.54,0.635) 3(-1.27,-0.635) 4(-1.27,0.635) 5(0,-0.635) 6(0,0.635) 7(1.27,-0.635) 8(1.27,0.635) 9(2.54,-0.635) 10(2.54,0.635)
  silkscreen extent -3.5,-2 3.5,2, body extent -3.15,-1.64 3.2,1.79, height 3.88
AP8-00317 [mm] "Placement area for 18x6mm sticker"
  silkscreen extent 0,0 18,6
AP8-00367 [mm] "1x2 pin header, right angle, 2.54 mm pitch, through-hole"
  rect 1.7x1.7 / inner round 1.7 / far side round 1.7 hole 1: 1(-1.27,0) 2(1.27,0)
  silkscreen extent -2.65,-1.38 2.66,10.6, body extent -2.54,-0.33 2.54,9.99, height 2.55
AP8-00525 [mm] "Jumper 2.54mm, 3D"
  body extent -2.49,0 2.49,5.97, height 2.52
AP8-00622 [mm] "2x10 Right angle 2.54mm THM"
  rect 1.7x1.7 / inner round 1.7 / far side rect 1.7x1.7 hole 1: 1(-11.43,-1.27)
  rect 2.1x2.1 on Top Paste: 1(-11.43,-1.27) 2(-11.43,1.27) 3(-8.89,-1.27) 4(-8.89,1.27) 5(-6.35,-1.27) 6(-6.35,1.27) 7(-3.81,-1.27) 8(-3.81,1.27) 9(-1.27,-1.27) 10(-1.27,1.27) 11(1.27,-1.27) 12(1.27,1.27) 13(3.81,-1.27) 14(3.81,1.27) 15(6.35,-1.27) 16(6.35,1.27) 17(8.89,-1.27) 18(8.89,1.27) 19(11.43,-1.27) 20(11.43,1.27)
  round 1.7 hole 1: 2(-11.43,1.27) 3(-8.89,-1.27) 4(-8.89,1.27) 5(-6.35,-1.27) 6(-6.35,1.27) 7(-3.81,-1.27) 8(-3.81,1.27) 9(-1.27,-1.27) 10(-1.27,1.27) 11(1.27,-1.27) 12(1.27,1.27) 13(3.81,-1.27) 14(3.81,1.27) 15(6.35,-1.27) 16(6.35,1.27) 17(8.89,-1.27) 18(8.89,1.27) 19(11.43,-1.27) 20(11.43,1.27)
  silkscreen extent -12.85,2.77 12.85,5.31, body extent -12.7,-1.59 12.7,11.29, height 5
AP8-00628 [mm] "2x2 Right angle 2.54mm THM"
  rect 1.7x1.7 / inner round 1.7 / far side rect 1.7x1.7 hole 1: 1(-1.27,-1.27)
  rect 2.1x2.1 on Top Paste: 1(-1.27,-1.27) 2(-1.27,1.27) 3(1.27,-1.27) 4(1.27,1.27)
  round 1.7 hole 1: 2(-1.27,1.27) 3(1.27,-1.27) 4(1.27,1.27)
  silkscreen extent -2.69,2.77 2.67,5.31, body extent -2.54,-1.52 2.54,11.36, height 5
AP8-00733 [mm] "Pin header 1x2 Pin in Paste"
  rect 1.7x1.7 / inner round 1.7 / far side rect 1.7x1.7 hole 1: 1(-1.27,0)
  rect 2.1x2.1 on Top Paste: 1(-1.27,0) 2(1.27,0)
  round 1.7 hole 1: 2(1.27,0)
  silkscreen extent -2.54,-1.48 2.54,1.48, body extent -2.54,-1.27 2.54,1.27, height 8.38
AP8-00745 [mm] "THM Pin-header 1x3 100mil pitch, 1mm hole"
  rect 1.7x1.7 / inner round 1.7 / far side rect 1.7x1.7 hole 1: 1(-2.54,0)
  rect 2.1x2.1 on Top Paste: 1(-2.54,0) 2(0,0) 3(2.54,0)
  round 1.7 hole 1: 2(0,0) 3(2.54,0)
  silkscreen extent -3.81,-1.48 3.81,1.48, body extent -3.81,-1.27 3.81,1.27, height 8.38
AP8-00822 [mm]
  rect 1.7x1.7 / inner round 1.7 / far side round 1.7 hole 1: 1(-11.43,0) 2(-8.89,0) 3(-6.35,0) 4(-3.81,0) 5(-1.27,0) 6(1.27,0) 7(3.81,0) 8(6.35,0) 9(8.89,0) 10(11.43,0)
  rect 2.1x2.1 on Top Paste: 1(-11.43,0) 2(-8.89,0) 3(-6.35,0) 4(-3.81,0) 5(-1.27,0) 6(1.27,0) 7(3.81,0) 8(6.35,0) 9(8.89,0) 10(11.43,0)
  silkscreen extent -13.21,-1.4 13.21,1.4, body extent -12.95,-1.21 12.95,1.21, height 8.51
AP8-00823 [mm]
  rect 1.7x1.7 / inner round 1.7 / far side round 1.7 hole 1: 1(-8.89,0) 2(-6.35,0) 3(-3.81,0) 4(-1.27,0) 5(1.27,0) 6(3.81,0) 7(6.35,0) 8(8.89,0)
  rect 2.1x2.1 on Top Paste: 1(-8.89,0) 2(-6.35,0) 3(-3.81,0) 4(-1.27,0) 5(1.27,0) 6(3.81,0) 7(6.35,0) 8(8.89,0)
  silkscreen extent -10.67,-1.4 10.67,1.4, body extent -10.41,-1.21 10.41,1.21, height 8.51
AP8-00824 [mm]
  rect 1.7x1.7 / inner round 1.7 / far side round 1.7 hole 1: 1(-6.35,0) 2(-3.81,0) 3(-1.27,0) 4(1.27,0) 5(3.81,0) 6(6.35,0)
  rect 1.7x1.7 on Top Paste: 1(-6.35,0) 2(-3.81,0) 3(-1.27,0) 4(1.27,0) 5(3.81,0) 6(6.35,0)
  silkscreen extent -8.13,-1.4 8.13,1.4, body extent -7.87,-1.21 7.87,1.21, height 8.51
AP8-00852 [mm] "Hirose, ZX Series, USB Micro-AB Recept-RA"
  rect 0.4x1.35 smd: 1(-1.3,2.8) 2(-0.65,2.8) 3(0,2.8) 4(0.65,2.8) 5(1.3,2.8)
  rrect52% 2.1x1.9 hole 0.825 slot 1.5 at 90 deg copper offset 0.437,0: 6(-4.088,0)
  rrect52% 2.1x1.9 on Top Paste: 6(-3.6,0) 7(3.6,0)
  rrect52% 2.1x1.9 hole 0.825 slot 1.5 at 90 deg copper offset -0.437,0: 7(4.088,0)
  rrect100% 1.05x1.25 hole 0.65 slot 0.85 at 90 deg: 8(-2.225,3.125) 9(2.225,3.125)
  rrect100% 1.05x1.25 on Top Paste: 8(-2.225,3.125) 9(2.225,3.125)
  Top Layer LF-signals region: -2.05,-0.95 -0.25,-0.95 -0.25,0.95 -2.05,0.95
  Top Layer LF-signals region: 0.25,-0.95 2.05,-0.95 2.05,0.95 0.25,0.95
  Top Layer LF-signals pour cut-out: -3.75,1.975 3.75,1.975 3.75,-1.325 -3.75,-1.325
  Top Layer LF-signals region: -2.6,0.95 -4.2,0.95 -4.294,0.941 -4.381,0.915 -4.434,0.891 -4.48,0.862 -4.52,0.832 -4.565,0.791 -4.596,0.753 -4.622,0.716 -4.647,0.673 -4.66,0.64 -4.676,0.6 -4.688,0.55 -4.696,0.505 -4.7,0.45 -4.7,-0.45 -4.696,-0.503 -4.689,-0.548 -4.677,-0.599 -4.661,-0.641 -4.641,-0.683 -4.617,-0.724 -4.589,-0.761 -4.56,-0.797 -4.521,-0.831 -4.483,-0.86 -4.439,-0.888 -4.397,-0.908 -4.354,-0.924 -4.301,-0.939 -4.248,-0.946 -4.2,-0.95 -2.6,-0.95
  Top Layer LF-signals region: 2.6,-0.95 4.2,-0.95 4.294,-0.941 4.381,-0.915 4.434,-0.891 4.48,-0.862 4.52,-0.832 4.565,-0.791 4.596,-0.753 4.622,-0.716 4.647,-0.673 4.66,-0.64 4.676,-0.6 4.688,-0.55 4.696,-0.505 4.7,-0.45 4.7,0.45 4.696,0.503 4.689,0.548 4.677,0.599 4.661,0.641 4.641,0.683 4.617,0.724 4.589,0.761 4.56,0.797 4.521,0.831 4.483,0.86 4.439,0.888 4.397,0.908 4.354,0.924 4.301,0.939 4.248,0.946 4.2,0.95 2.6,0.95
  Bottom Layer LF-signals region: 2.6,-0.95 4.2,-0.95 4.294,-0.941 4.381,-0.915 4.434,-0.891 4.48,-0.862 4.52,-0.832 4.565,-0.791 4.596,-0.753 4.622,-0.716 4.647,-0.673 4.66,-0.64 4.676,-0.6 4.688,-0.55 4.696,-0.505 4.7,-0.45 4.7,0.45 4.696,0.503 4.689,0.548 4.677,0.599 4.661,0.641 4.641,0.683 4.617,0.724 4.589,0.761 4.56,0.797 4.521,0.831 4.483,0.86 4.439,0.888 4.397,0.908 4.354,0.924 4.301,0.939 4.248,0.946 4.2,0.95 2.6,0.95
  Bottom Layer LF-signals region: -2.6,0.95 -4.2,0.95 -4.294,0.941 -4.381,0.915 -4.434,0.891 -4.48,0.862 -4.52,0.832 -4.565,0.791 -4.596,0.753 -4.622,0.716 -4.647,0.673 -4.66,0.64 -4.676,0.6 -4.688,0.55 -4.696,0.505 -4.7,0.45 -4.7,-0.45 -4.696,-0.503 -4.689,-0.548 -4.677,-0.599 -4.661,-0.641 -4.641,-0.683 -4.617,-0.724 -4.589,-0.761 -4.56,-0.797 -4.521,-0.831 -4.483,-0.86 -4.439,-0.888 -4.397,-0.908 -4.354,-0.924 -4.301,-0.939 -4.248,-0.946 -4.2,-0.95 -2.6,-0.95
  silkscreen extent -4.05,1.22 4.05,3.13, body extent -4.32,-2.65 4.33,3.25, height 2.78
AP9-00044 [mm]
  rect 1x0.95 smd paste-1: 1(-0.85,0) 2(0.85,0)
  Top Layer LF-signals region: -0.45,0.15 0.45,0.15 0.45,-0.15 -0.45,-0.15
  silkscreen extent -1.6,-0.72 1.6,0.72, body extent -0.8,-0.4 0.8,0.4, height 0.3
? [mm] "26 pin single sided FPC connector 04-6288-026-000-846+"
  round 0.2 smd paste-1 mask-1: 1(3.5,3.5)
  GND region: -6,-4 4,-4 4,4 -4,4 -4,-4 -6,-4 -6,6 6,6 6,-6 -6,-6